# Altium PCB PCB1.PcbDoc (part 1 of 4) (continued)
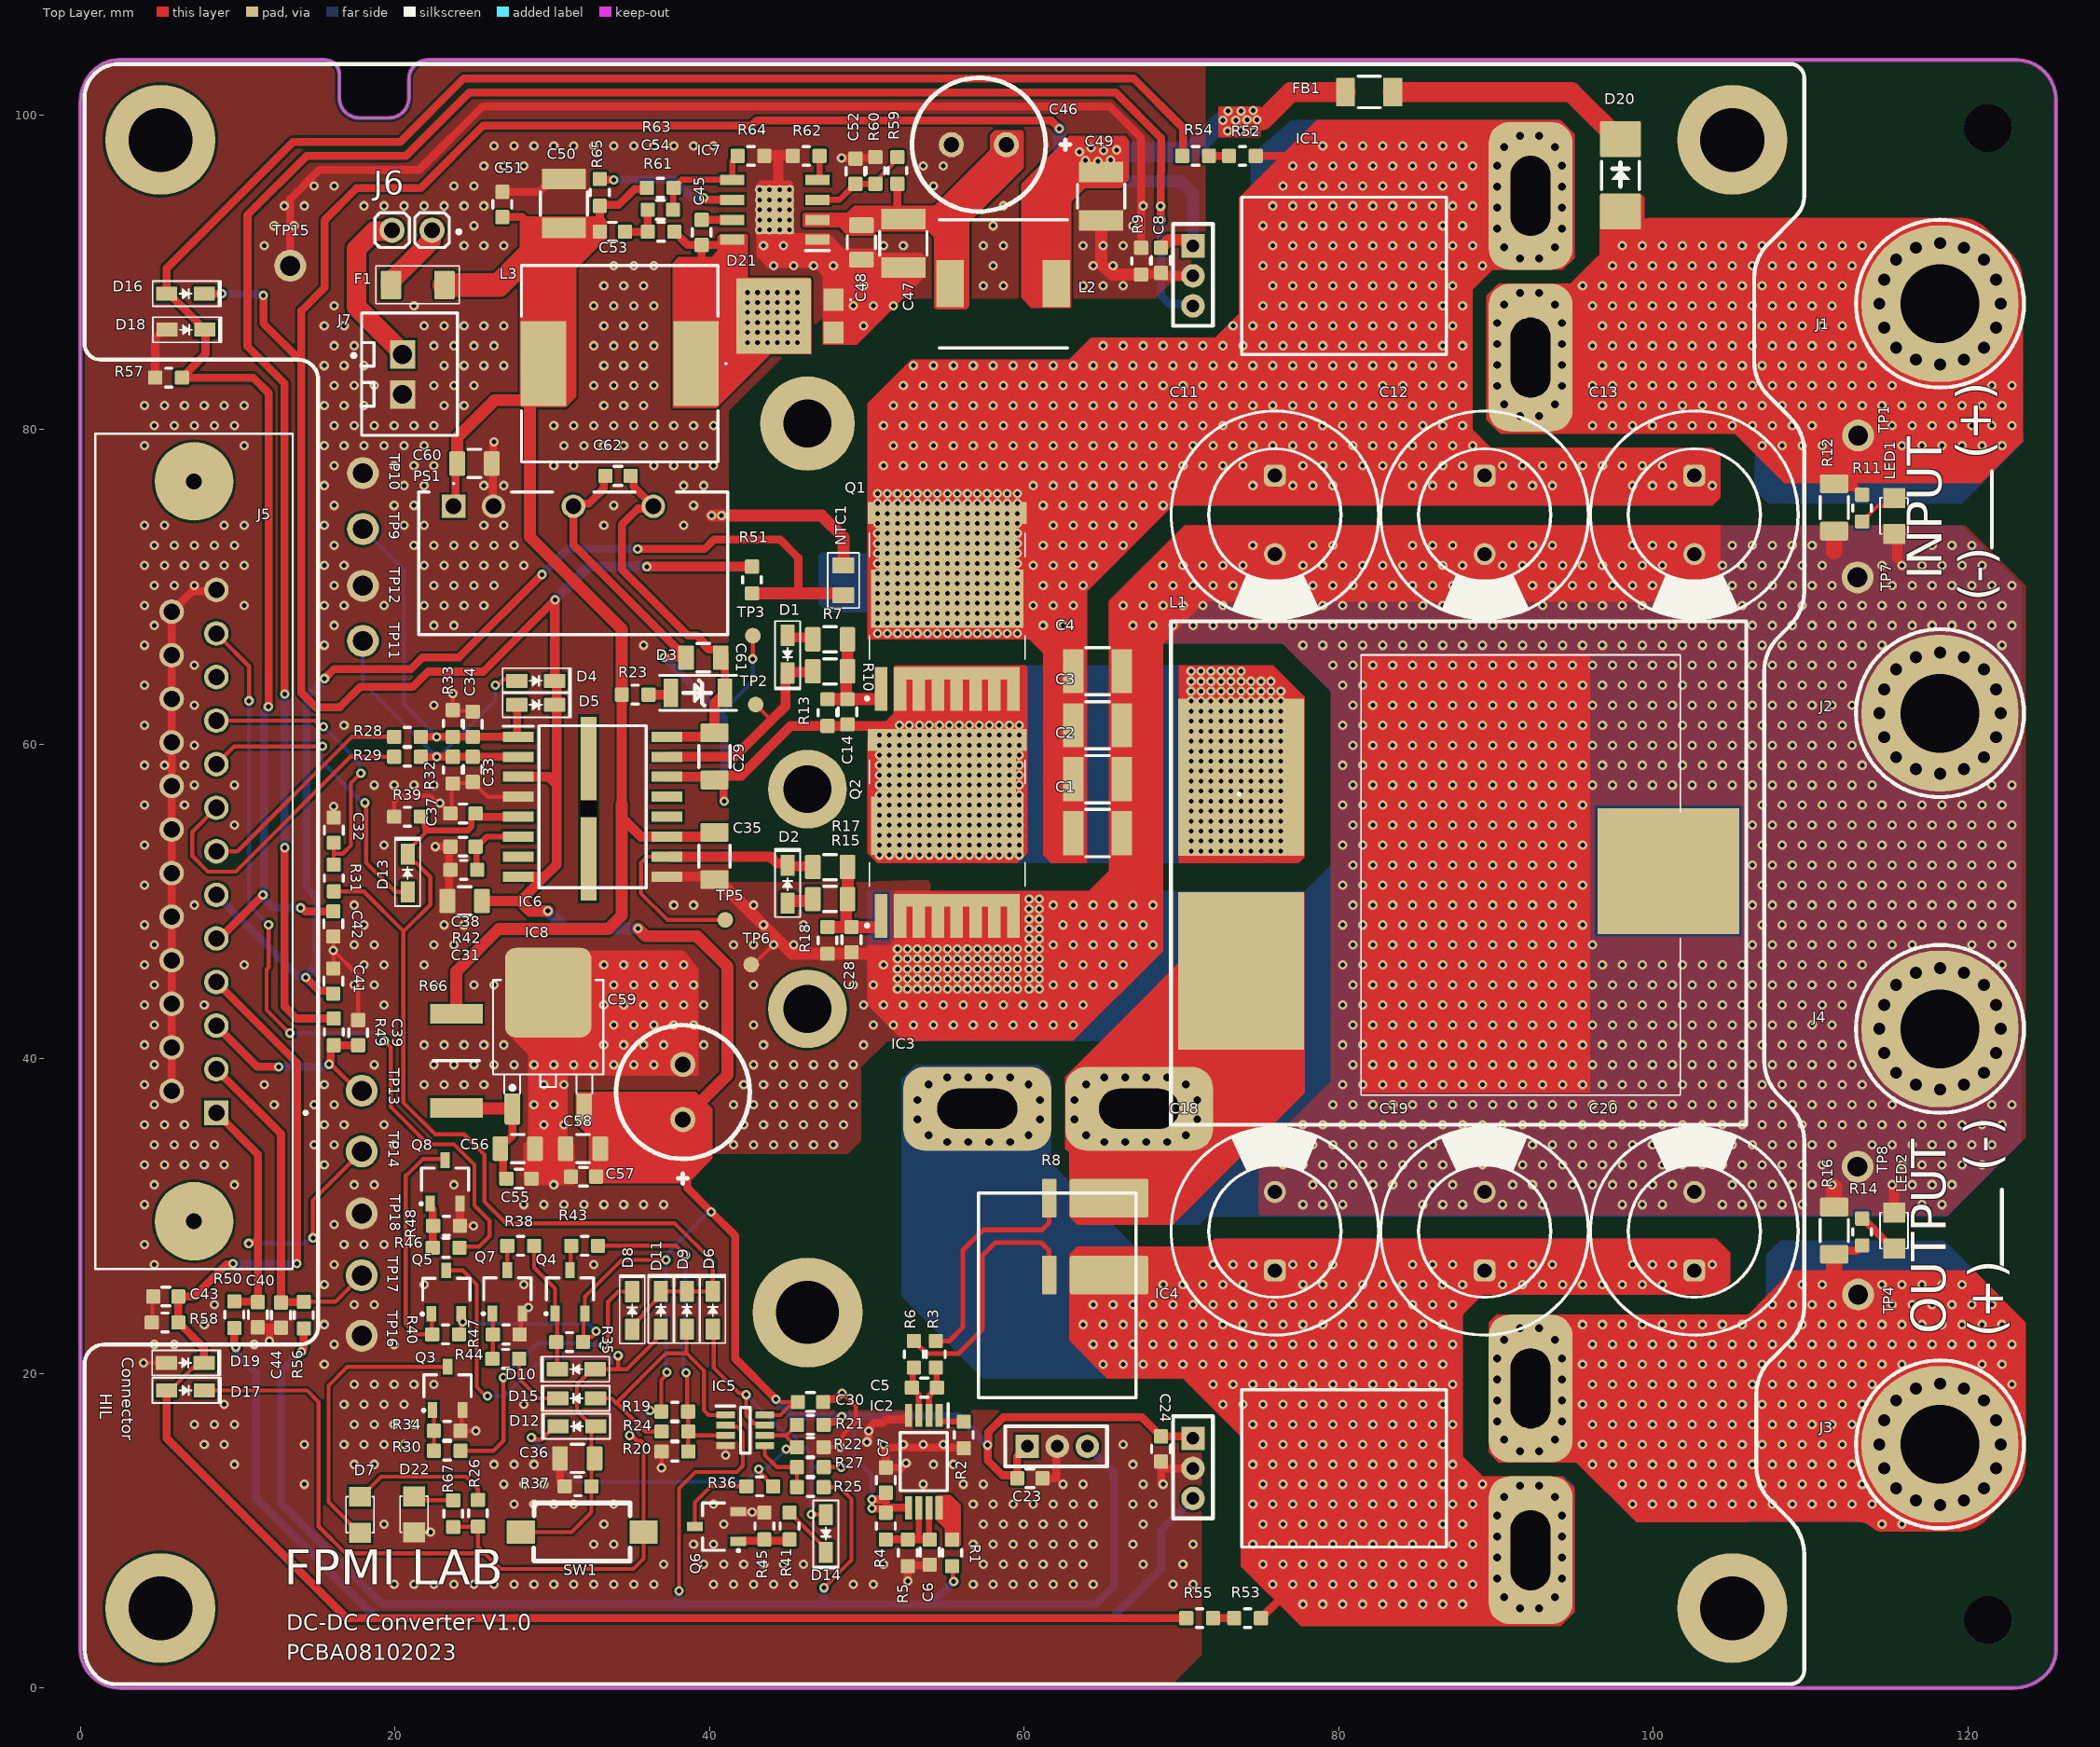
[diagram p0: Top Layer view]
## Components (designator, comment, footprint, x,y, rotation, side; value= is the part's Value field where it differs from the comment)
C1 "GRM32ER71K475KE14L" C_1210 66.219,54.356 r180 top value=4.7UF-80V
C2 "GRM32ER71K475KE14L" C_1210 66.219,57.785 r180 top value=4.7UF-80V
C3 "GRM32ER71K475KE14L" C_1210 66.219,61.214 r180 top value=4.7UF-80V
C4 "GRM32ER71K475KE14L" C_1210 66.219,64.643 r180 top value=4.7UF-80V
C5 "DNF" C_0603 54.457,19.101 r180 top value=100V
C6 "0.1uF" C_0603 54,7.849 r90 top value=50V
C7 "0.1uF" C_0603 51.206,12.421 r90 top value=50V
C8 "0.1uF" C_0603 68.707,89.967 r90 top value=50V
C9 "0.1uF 100V" C_1206 114.427,73.2 r90 bottom
C10 "0.1uF 100V" C_1206 111.887,73.2 r90 bottom
C11 "470uF 100V" CAP-ALU-13MM*30MM 75.946,74.589 r90 top value="470uF 80V"
C12 "470uF 100V" CAP-ALU-13MM*30MM 89.281,74.589 r90 top value="470uF 80V"
C13 "470uF 100V" CAP-ALU-13MM*30MM 102.616,74.589 r90 top value="470uF 80V"
C14 "4.7nF" C_0603 48.768,61.265 r90 top value=50V
C15 "GRM32ER71K475KE14L" C_1210 71.755,72.973 r90 bottom value=4.7UF-100V
C16 "GRM32ER71K475KE14L" C_1210 82.677,72.973 r90 bottom value=4.7UF-100V
C17 "GRM32ER71K475KE14L" C_1210 96.012,72.973 r90 bottom value=4.7UF-100V
C18 "470uF 100V" CAP-ALU-13MM*30MM 75.946,29.043 r270 top value="470uF 80V"
C19 "470uF 100V" CAP-ALU-13MM*30MM 89.281,29.043 r270 top value="470uF 80V"
C20 "470uF 100V" CAP-ALU-13MM*30MM 102.616,29.043 r270 top value="470uF 80V"
C21 "0.1uF 100V" C_1206 114.3,30.559 r270 bottom
C22 "0.1uF 100V" C_1206 111.76,30.559 r270 bottom
C23 "0.1uF" C_0603 61.163,13.335 r180 top value=50V
C24 "0.1uF" C_0603 68.707,14.402 r90 top value=50V
C25 "GRM32ER71K475KE14L" C_1210 96.012,30.532 r270 bottom value=4.7UF-100V
C26 "GRM32ER71K475KE14L" C_1210 82.677,30.532 r270 bottom value=4.7UF-100V
C27 "GRM32ER71K475KE14L" C_1210 70.104,30.734 r270 bottom value=4.7UF-100V
C28 "4.7nF" C_0603 49.022,46.787 r90 top value=50V
C29 "1uF 25V" C_1206 40.309,57.731 r90 top
C30 "10uF" C_0603 47.218,18.186 r180 top value=50V
C31 "10uF" C_0805 23.327,50.038 r0 top value=16V
C32 "0.1uF" C_0603 16.104,53.746 r90 top value=50V
C33 "47pF" C_0603 24.942,59.207 r270 top value=50V
C34 "47pF" C_0603 24.942,60.477 r90 top value=50V
C35 "1uF 25V" C_1206 40.309,54.397 r270 top
C36 "10uF" C_0805 30.49,14.605 r0 top value=16V
C37 "1nF" C_0603 23.52,55.601 r0 top value=50V
C38 "1nF" C_0603 23.52,53.492 r0 top value=50V
C39 "1nF" C_0603 17.653,42.469 r270 top value=50V
C40 "1nF" C_0603 11.278,22.936 r90 top value=50V
C41 "0.1uF" C_0603 16.078,45.745 r270 top value=50V
C42 "1nF" C_0603 16.078,47.777 r90 top value=50V
C43 "1nF" C_0603 4.623,24.892 r0 top value=50V
C44 "1nF" C_0603 12.751,22.911 r90 top value=50V
C45 "2.2nF" C_0603 39.497,91.745 r90 top value=50V
C46 "Cap_Alu_TH_8P0D3P5_22uF" C_ALU_TH_8p0D11p5 57.125,98.12 r180 top value=22uF
C47 "GRM32ER71K475KE14L" C_1210 52.324,90.297 r90 top value=4.7UF-100V
C48 "0.1uF" C_0805 49.657,90.805 r90 top value=100V
C49 "GRM32ER71K475KE14L" C_1210 64.897,93.293 r90 top value=4.7UF-100V
C50 "22uF" C_1210 30.734,95.937 r270 top value=16V
C51 "0603" C_0603 26.822,95.123 r270 top value=0.1uF
C52 "0603" C_0603 49.276,95.631 r90 top value=0.1uF
C53 "3.3nF" C_0603 34.62,92.583 r180 top value=50V
C54 "68pF" C_0603 37.668,93.98 r180 top value=50V
C55 "0.1uF" C_0603 28.676,32.385 r180 top value=50V
C56 "10uF" C_0805 28.895,34.29 r180 top value=16V
C57 "0.1uF" C_0603 31.191,32.512 r0 top value=50V
C58 "10uF" C_0805 30.845,34.29 r0 top value=16V
C59 "Cap_Alu_TH_8P0D3P5" C_ALU_TH_8p0D11p5 38.303,37.897 r90 top value=470uF
C60 "2.2uF" C_0805 26.152,77.851 r180 top value=50V
C61 "4.7uF" C_0805 38.506,65.507 r0 top value=50V
C62 "0.1uF" C_0603 33.376,77.064 r0 top value=50V
D1 "B0520WS-7-F" SOD323F 44.958,65.729 r90 top
D2 "B0520WS-7-F" SOD323F 44.958,51.111 r270 top
D3 "PMEG2010AEJ,115" SOD123 39.37,62.763 r0 top
D4 "PMEG2010AEJ,115" SOD323F 28.949,64.033 r180 top
D5 "PMEG2010AEJ,115" SOD323F 28.949,62.509 r180 top
D6 "PMEG2010AEJ,115" SOD323F 40.208,24.022 r270 top
D7 "LED-SMD" SM-LED-0805-Red 17.78,9.881 r90 top
D8 "PMEG2010AEJ,115" SOD323F 35.077,24.003 r270 top
D9 "PMEG2010AEJ,115" SOD323F 38.557,24.022 r270 top
D10 "PMEG2010AEJ,115" SOD323F 31.521,20.269 r0 top
D11 "PMEG2010AEJ,115" SOD323F 36.906,24.022 r270 top
D12 "PMEG2010AEJ,115" SOD323F 31.572,16.637 r0 top
D13 "PMEG2010AEJ,115" SOD323F 20.803,51.816 r270 top
D14 "PMEG2010AEJ,115" SOD323F 47.396,9.83 r90 top
D15 "PMEG2010AEJ,115" SOD323F 31.547,18.415 r0 top
D16 "PMEG2010AEJ,115" SOD323F 6.68,88.646 r180 top
D17 "PMEG2010AEJ,115" SOD323F 6.674,18.923 r180 top
D18 "PMEG2010AEJ,115" SOD323F 6.706,86.36 r180 top
D19 "PMEG2010AEJ,115" SOD323F 6.655,20.676 r180 top
D20 "Schottky" DIODE_Schottky_DO214 97.917,96.266 r90 top value="3A 100V"
D21 "V8P12-M3/86A" V8P12M386A 45.11,87.224 r90 top
D22 "LED-SMD" SM-LED-0805-Green 21.209,9.906 r90 top
F1 "120mA 48V" Fuse-SMD-1206 21.439,89.205 r180 top
FB1 "FerriteBead_1206_270Ohm" FERRITEBEAD_1206 81.939,101.473 r180 top value=270Ohm
IC1 "ACS758LCB-100B-PFF-T" ACS772ECB200BPFFT 70.739,91.692 r270 top
IC2 "INA240A1PWR" SOP65P640X120-8N 53.619,14.402 r270 top
IC3 "ACS758LCB-100B-PFF-T" ACS772ECB200BPFFT 60.198,15.367 r0 top
IC4 "ACS758LCB-100B-PFF-T" ACS772ECB200BPFFT 70.739,15.875 r270 top
IC5 "TLV7022DDFR" SOT65P280X110-8N 42.266,16.383 r0 top
IC6 "UCC21542DWR" SOIC127P1030X265-16N 32.562,56.032 r0 top
IC7 "LM5013DDAR" SOIC127P600X170-9N 44.151,93.98 r180 top
IC8 "BA50BC0FP-E2" TO252-123 29.743,40.513 r0 top
J1 "Vin+" HOLE_5mm_RED 118.237,88.011 r180 top locked
J2 "Vin-" HOLE_5mm_BLACK 118.237,61.976 r180 top locked
J3 "Vout+" HOLE_5mm_RED 118.237,15.494 r180 top locked
J4 "Vout-" HOLE_5mm_BLACK 118.237,41.91 r180 top locked
J5 "2301841-2" TE_2301841-2 7.216,53.196 r270 top locked
J6 "Header_2_2p54" JUMP_1x2 22.352,92.685 r180 top
J7 "CONN HEADER VERT 2POS 2.5MM" HEADER_2 20.472,83.515 r270 top value=Header_2
L1 "CSCF3218-6R8MC" CSCF3218-6R8MC 91.567,51.689 r270 top
L2 "1217AS-H-8R2M=P3" 1217ASH100MP3 58.674,89.281 r180 top
L3 "" SRR1260A470M 34.29,84.201 r270 top value=*47uH
LED1 "LED SMD" SM-LED-0805-Blue 115.316,75.667 r270 top
LED2 "LED SMD" SM-LED-0805-Blue 115.316,27.94 r90 top
NTC1 "10k" "NTC 0805" 48.514,70.419 r270 top
PS1 "B1212S-2W" B1212S2W 23.724,75.133 r0 top
Q1 "FDBL0210N80" "NTBLS1D5N10MC - duplicate" 55.118,68.916 r0 top
Q2 "FDBL0210N80" "NTBLS1D5N10MC - duplicate" 55.118,54.483 r0 top
Q3 "IRLML6402TRPBF" sot23-3 23.343,19.05 r90 top value="20V 3.7A"
Q4 "IRLML6402TRPBF" sot23-3 31.126,25.197 r90 top value="20V 3.7A"
Q5 "IRLML6402TRPBF" sot23-3 23.256,25.175 r90 top value="20V 3.7A"
Q6 "SS8050-G" sot23-3 40.437,10.262 r180 top
Q7 "SS8050-G" sot23-3 27.14,25.197 r90 top
Q8 "SS8050-G" sot23-3 23.186,32.185 r90 top
R1 "0" R_0603 55.423,7.749 r90 top value=8.2-10kOhm
R2 "0" R_0603 56.159,16.942 r270 top value=8.2-10kOhm
R3 "10" R_0603 54.381,20.371 r90 top
R4 "2k" R_0603 51.206,11.149 r270 top
R5 "2k" R_0603 52.603,7.749 r90 top
R6 "10" R_0603 52.984,20.371 r90 top
R7 "10" R_0805 47.668,66.675 r0 top
R8 "Shunt 1 mOhm" PSG4/PSF4 65.405,28.702 r270 top value="1 mOhm"
R9 "0603" R_0603 67.437,91.567 r270 top value=0
R10 "10" R_0805 47.668,64.643 r0 top
R11 "47k" R_0603 113.284,75.868 r270 top
R12 "47k" R_1206 111.506,75.057 r90 top
R13 "0603" R_0603 47.498,61.165 r90 top value=10kOhm
R14 "47k" R_0603 113.284,28.145 r90 top
R15 "10" R_0805 47.668,50.165 r0 top
R16 "47k" R_1206 111.506,29.083 r270 top
R17 "10" R_0805 47.668,52.197 r0 top
R18 "0603" R_0603 47.498,46.687 r90 top value=10kOhm
R19 "0603" R_0603 36.933,17.577 r0 top value=1.2M
R20 "0603" R_0603 38.646,15.037 r180 top value=200k
R21 "100k" R_0603 47.257,16.739 r180 top
R22 "250k" R_0603 45.555,15.316 r0 top
R23 "0603" R_0603 34.418,63.155 r0 top value=1Ohm
R24 "0603" R_0603 38.646,16.307 r180 top value=400k
R25 "250k" R_0603 45.555,12.776 r0 top
R26 "0603" R_0603 25.273,11.963 r270 top value=2kOhm
R27 "0603" R_0603 45.555,14.046 r0 top value="1 MOhm"
R28 "0603" R_0603 19.94,60.477 r0 top value=100Ohm
R29 "0603" R_0603 19.94,59.207 r0 top value=100Ohm
R30 "1k" R_0603 22.467,15.088 r0 top
R31 "200k" R_0603 16.104,50.649 r90 top
R32 "0603" R_0603 23.672,57.507 r90 top value=10kOhm
R33 "0603" R_0603 23.672,62.177 r270 top value=10kOhm
R34 "10k" R_0603 22.467,16.358 r0 top
R35 "10k" R_0603 30.253,21.996 r0 top
R36 "1k" R_0603 42.342,12.827 r0 top
R37 "1k" R_0603 30.787,12.827 r0 top
R38 "1k" R_0603 27.14,28.118 r0 top
R39 "0603" R_0603 19.94,55.397 r0 top value=10kOhm
R40 "10k" R_0603 22.367,22.486 r0 top
R41 "10k" R_0603 45.085,11.151 r270 top
R42 "0603" R_0603 23.52,52.019 r0 top value=10kOhm
R43 "1k" R_0603 32.904,28.118 r180 top
R44 "10k" R_0603 27.887,20.93 r180 top
R45 "47k" R_0603 43.485,11.151 r270 top
R46 "10k" R_0603 24.098,27.994 r180 top
R47 "47k" R_0603 27.921,22.477 r180 top
R48 "47k" R_0603 24.124,29.391 r180 top
R49 "0603" R_0603 16.104,42.569 r270 top value=1kOhm
R50 "0603" R_0603 9.779,22.885 r90 top value=1kOhm
R51 "0603" R_0603 42.697,69.598 r90 top value=10kOhm
R52 "0603" R_0603 73.025,97.409 r0 top value=0
R53 "0603" R_0603 73.357,4.445 r0 top value=0
R54 "0603" R_0603 70.055,97.409 r0 top value=150kOhm
R55 "0603" R_0603 70.309,4.445 r0 top value=47kOhm
R56 "0603" R_0603 14.199,22.862 r90 top value=1kOhm
R57 "0603" R_0603 4.75,83.312 r0 top value=10kOhm
R58 "0603" R_0603 4.523,23.241 r0 top value=10kOhm
R59 "200k" R_0603 51.943,97.331 r270 top
R60 "24k" R_0603 50.546,97.331 r270 top value=8.2-10kOhm
R61 "390k" R_0603 36.068,92.583 r0 top
R62 "0603" R_0603 45.29,97.409 r0 top value=100kOhm
R63 "0603" R_0603 37.719,95.377 r180 top value=470kOhm
R64 "0603" R_0603 43.483,97.409 r180 top value=51kOhm
R65 "0603" R_0603 33.02,94.234 r90 top value=100kOhm
R66 "CRCW251215R0JNEG" RESC6332X70N 23.901,39.878 r270 top
R67 "0603" R_0603 23.698,11.938 r270 top value=2kOhm
SW1 "Button" BUTTON_2P_SMD 31.902,9.906 r0 top
TP1 "Test Point" TP_1mm_through_hole 113.03,79.629 r90 top
TP2 "TP" TP_1mm 42.926,62.535 r0 top
TP3 "TP" TP_1mm 42.748,66.904 r0 top
TP4 "Test Point" TP_1mm_through_hole 113.03,25.019 r0 top
TP5 "TP" TP_1mm 40.996,48.844 r0 top
TP6 "TP" TP_1mm 42.647,45.999 r90 top
TP7 "Test Point" TP_1mm_through_hole 112.997,70.612 r180 top
TP8 "Test Point" TP_1mm_through_hole 112.997,33.147 r90 top
TP9 "Test Point" TP_1mm_through_hole 17.958,73.685 r180 top
TP10 "Test Point" TP_1mm_through_hole 17.958,77.241 r180 top
TP11 "Test Point" TP_1mm_through_hole 17.958,66.573 r180 top
TP12 "Test Point" TP_1mm_through_hole 17.958,70.079 r180 top
TP13 "Test Point" TP_1mm_through_hole 17.881,37.973 r180 top
TP14 "Test Point" TP_1mm_through_hole 17.882,34.112 r90 top
TP15 "Test Point" TP_1mm_through_hole 13.335,90.424 r180 top
TP16 "Test Point" TP_1mm_through_hole 17.882,22.403 r90 top
TP17 "Test Point" TP_1mm_through_hole 17.882,26.238 r90 top
TP18 "Test Point" TP_1mm_through_hole 17.882,30.175 r90 top

## Footprints (in the part's own frame and the unit in brackets; to place one, negate y for a bottom-side part, rotate by r counter-clockwise, add the part's x,y. Pads: shape width x height; smd on the part's side, far side on the other; paste and mask are expansions set on the pad)
1217ASH100MP3 [mm]
  rect 1.75x3 smd: 1(-3.375,0) 2(3.375,0)
  silkscreen extent -4.08,-4.08 4.08,4.08, body extent -4.33,-4.31 4.33,4.31, height 4.5
ACS772ECB200BPFFT [mm]
  rect 1.5x1.5 hole 0.8: 1(0,0)
  round 1.5 hole 0.8: 2(1.91,0) 3(3.82,0)
  round 1 hole 0.5: 4(3.008,20.782) 4(3.008,22.018) 4(3.734,23.018) 4(3.734,19.782) 4(4.91,23.45) 4(4.91,19.35) 4(6.243,23.45) 4(6.243,19.35) 4(7.577,23.45) 4(7.577,19.35) 4(8.91,23.45) 4(8.91,19.35) 4(10.086,19.782) 4(10.086,23.018) 4(10.812,20.782) 4(10.812,22.018) 5(-6.992,20.782) 5(-6.992,22.018) 5(-6.266,23.018) 5(-6.266,19.782) 5(-5.09,23.45) 5(-5.09,19.35) 5(-3.757,23.45) 5(-3.757,19.35) 5(-2.423,23.45) 5(-2.423,19.35) 5(-1.09,23.45) 5(-1.09,19.35) 5(0.086,23.018) 5(0.086,19.782) 5(0.812,22.018) 5(0.812,20.782)
  rrect50% 9.398x5.334 hole 2.54 slot 5.08 at 0 deg: 4(7.11,21.463) 5(-3.175,21.463)
  silkscreen extent -3.09,-1.27 6.91,16.1, body extent -5.06,-0.48 8.94,22.33, height 6.97
B1212S2W [mm]
  rect 1.5x1.5 hole 1: 1(0,0)
  round 1.5 hole 1: 2(2.54,0) 4(7.62,0) 6(12.7,0)
  silkscreen extent -2.21,-8.15 17.44,1.5, body extent -2.21,-8.15 17.44,0.9, height 10.51
BUTTON_2P_SMD [mm]
  rrect10% 1.8x1.5 smd mask+0.05: 1(-3.9,0.01) 2(3.9,0.01)
  silkscreen extent -3.1,-1.84 3.05,1.86, body extent -4.07,-1.66 3.93,1.84, height 4.2
C_0603 [mm]
  rrect20% 0.9x0.9 smd mask+0.1: 1(0,0) 2(1.6,0)
  silkscreen extent 0.55,-0.6 1.05,0.6, body extent 0,-0.45 1.6,0.45, height 0.81
C_0805 [mm]
  rrect20% 1x1.55 smd mask+0.1: 1(0,0) 2(2.2,0)
  silkscreen extent 0.7,-0.9 1.5,0.9, body extent 0,-0.72 2.2,0.72, height 1.35
C_1206 [mm]
  rrect20% 1.2x1.8 smd mask+0.1: 1(0,0) 2(3,0)
  silkscreen extent 0.8,-1 2.2,1, body extent -0.1,-0.8 3.1,0.8, height 1
C_1210 [mm]
  rect 1.3x2.8 smd mask+0.1: 1(0,0) 2(3.1,0)
  silkscreen extent 0.8,-1.5 2.3,1.5, body extent -0.09,-1.25 3.19,1.25, height 1.1
C_ALU_TH_8p0D11p5 [mm]
  round 1.6 hole 1 mask+0.1: 1(-1.75,0) 2(1.75,0)
  silkscreen extent -5.8,-4.25 4.25,4.25, body extent -4.03,-4.03 4.03,4.03, height 11.53
CAP-ALU-13MM*30MM [mm]
  rrect50% 1.4x1.4 hole 0.9 mask+0.075: 1(2.5,0)
  round 1.4 hole 0.9 mask+0.075: 2(-2.5,0)
  silkscreen extent -6.6,-6.6 6.6,6.6, body extent -6.26,-6.25 6.25,6.25, height 32.52
CSCF3218-6R8MC [mm]
  rect 10x8 smd: 1(-6.223,-17.78) 2(6.096,-17.78)
  rect 8x9 smd: 3(-0.254,9.398)
  silkscreen extent -16.13,-22.23 15.88,14.35, body extent -14,-16.4 14,10.6, height 18.25
DIODE_Schottky_DO214 [mm] "DO214"
  rrect10% 2.3x2.6 smd mask+0.05: 1(-2.39,-0.01) 2(2.21,-0.01)
  silkscreen extent -1,-1.2 0.8,1.2, body extent -2.93,-1.4 2.55,1.39, height 2.14
FERRITEBEAD_1206 [mm]
  rect 1.2x1.8 smd mask+0.1: 1(-1.5,0) 2(1.5,0)
  silkscreen extent -0.7,-1 0.7,1, body extent -1.6,-0.83 1.6,0.83, height 1.53
Fuse-SMD-1206 [mm]
  rrect10% 1.3x1.8 smd mask+0.07: 1(-1.7,0) 2(1.7,0)
  silkscreen extent -2.65,-1.2 2.65,1.2, body extent -1.75,-0.92 1.75,0.92, height 0.5
HEADER_2 [mm] "HEADER_2_2P54"
  rect 1.8x1.6 hole 1.2 mask+0.1: 1(-1.27,0) 2(1.27,0)
  silkscreen extent -3.9,-3.2 3.87,3.5, body extent -3.7,-2.45 3.7,3.3, height 7
HOLE_5mm_BLACK [mm]
  round 10 hole 5 mask+0.075: 1(0,0)
  silkscreen extent -5.34,-5.34 5.34,5.34, body extent -12.03,-5.6 5.59,5.6, height 25.25
HOLE_5mm_RED [mm]
  round 10 hole 5 mask+0.075: 1(0,0)
  silkscreen extent -5.34,-5.34 5.34,5.34, body extent -12.03,-5.59 5.59,5.61, height 25.25
JUMP_1x2 [mm] "JUMP_1x2_2P54"
  round 1.6 hole 1 mask+0.1: 1(0,0) 2(2.54,0)
  silkscreen extent -1.8,-1.1 3.64,1.1, body extent -1.3,-1.3 3.78,1.24, height 5.94
"NTBLS1D5N10MC - duplicate" [mm]
  rect 0.8x2.8 smd: 1(-4.2,-5.4)
  rect 0.8x2 smd: 2(-3,-5.8) 3(-1.8,-5.8) 4(-0.6,-5.8) 5(0.6,-5.8) 6(1.8,-5.8) 7(3,-5.8) 8(4.2,-5.8)
  rect 8x0.8 smd: A2(0.6,-4.4)
  rect 10.1x1.4 smd: T1(0,5.8)
  rect 8.7x2.9 smd: T2(0,3.65)
  rect 9.7x3.7 smd: T3(0,0.35)
  silkscreen extent -5.2,-6.1 4.95,4.5, body extent -4.95,-5.2 4.95,6.47, height 2.3
"NTC 0805" [mm]
  rrect10% 1x1.4 smd mask+0.07: 1(-0.95,0) 2(0.95,0)
  silkscreen extent -1.75,-1 1.75,1, body extent -1.18,-0.51 1.18,0.51, height 0.61
PSG4/PSF4 [mm] "Chip Capacitor, Body 3.2x2.5mm, IPC Medium Density"
  rrect10% 2.45x5 smd mask+0.07: I1(-2.45,0) I2(2.45,0)
  rrect10% 2.45x0.9 smd mask+0.07: S1(-2.45,-3.8) S2(2.45,-3.8)
  body extent -3.45,-4.15 3.45,2.45, height 3
R_0603 [mm]
  rrect20% 0.9x0.9 smd mask+0.1: 1(0,0)
  rrect20% 0.9x0.9 smd: 2(1.7,0)
  silkscreen extent 0.65,-0.6 1.05,0.6, body extent 0,-0.4 1.7,0.4, height 0.56
R_0805 [mm]
  rrect20% 1x1.55 smd mask+0.1: 1(-1.1,0)
  rrect20% 1x1.55 smd: 2(1.1,0)
  silkscreen extent -0.4,-0.8 0.4,0.8, body extent -1.15,-0.69 1.15,0.66, height 0.76
R_1206 [mm] "Resistor 1206"
  rrect20% 1.2x1.8 smd mask+0.1: 1(-1.5,0) 2(1.5,0)
  silkscreen extent -0.7,-0.9 0.7,0.9, body extent -1.67,-0.86 1.68,0.87, height 0.85
RESC6332X70N [mm]
  rect 1.25x3.35 smd: 1(-3,0) 2(3,0)
  silkscreen extent 0,-1.48 0,1.48, body extent -3.15,-1.58 3.15,1.58, height 0.7
SM-LED-0805-Blue [mil]
  rect 50x55 smd: 1(0,0) 2(90,0)
  silkscreen extent 0,-35 90,35, body extent 5,-25 85,25, height 43
SM-LED-0805-Green [mil]
  rect 50x55 smd: 1(0,0) 2(90,0)
  silkscreen extent 0,-35 90,35, body extent 5,-25 85,25, height 43
SM-LED-0805-Red [mil]
  rect 50x55 smd: 1(0,0) 2(90,0)
  silkscreen extent 0,-35 90,35, body extent 5,-25 85,25, height 43
SOD123 [mm]
  rect 0.915x1.8 smd: 1(-1.829,0.508) 2(1.6,0.508)
  silkscreen extent -2.55,-0.59 2.35,1.61, body extent -2.11,-0.39 1.8,1.41, height 0.82
SOD323F [mm]
  round 0.508 on Mech14: 0(0,0)
  rrect10% 1.35x0.9 smd mask+0.07: 1(1.2,0) 2(-1.2,0)
  silkscreen extent -2.25,-0.8 2.1,0.8, body extent -1.25,-0.67 1.25,0.68, height 1
SOIC127P600X170-9N [mm]
  rect 1.525x0.65 smd: 1(-2.712,1.905) 2(-2.712,0.635) 3(-2.712,-0.635) 4(-2.712,-1.905) 5(2.712,-1.905) 6(2.712,-0.635) 7(2.712,0.635) 8(2.712,1.905)
  rect 2.4x3.1 smd: 9(0,0)
  silkscreen extent -3.47,2.58 -1.95,2.58, body extent -3,-2.45 3,2.45, height 1.57
SOIC127P1030X265-16N [mm]
  rect 1.95x0.65 smd: 1(-4.725,4.445) 2(-4.725,3.175) 3(-4.725,1.905) 4(-4.725,0.635) 5(-4.725,-0.635) 6(-4.725,-1.905) 7(-4.725,-3.175) 8(-4.725,-4.445) 9(4.725,-4.445) 10(4.725,-3.175) 11(4.725,-1.905) 12(4.725,-0.635) 13(4.725,0.635) 14(4.725,1.905) 15(4.725,3.175) 16(4.725,4.445)
  silkscreen extent -5.7,-5.15 3.4,5.15, body extent -5.17,-5.15 5.17,5.15, height 2.59
SOP65P640X120-8N [mm]
  rect 1.475x0.45 smd: 1(-2.938,0.975) 2(-2.938,0.325) 3(-2.938,-0.325) 4(-2.938,-0.975) 5(2.938,-0.975) 6(2.938,-0.325) 7(2.938,0.325) 8(2.938,0.975)
  silkscreen extent -3.67,-1.5 1.85,1.55, body extent -3.21,-1.5 3.21,1.5, height 1.11
sot23-3 [mm]
  rect 1x0.6 smd: 1(-1.375,0.95) 2(-1.375,-0.95) 3(1.375,0)
  silkscreen extent -1.47,-1.5 0.88,1.59, body extent -1.25,-1.5 1.25,1.5, height 1.06
SOT65P280X110-8N [mm]
  rect 1.2x0.45 smd: 1(-1.25,0.975) 2(-1.25,0.325) 3(-1.25,-0.325) 4(-1.25,-0.975) 5(1.25,-0.975) 6(1.25,-0.325) 7(1.25,0.325) 8(1.25,0.975)
  silkscreen extent -1.85,-1.45 0.3,1.55, body extent -1.41,-1.45 1.41,1.45, height 0.9
SRR1260A470M [mm]
  rect 5.4x2.9 smd: 1(0,4.85) 2(0,-4.85)
  silkscreen extent -6.25,-6.25 6.25,6.8, body extent -6.25,-6.25 6.25,6.25, height 6.25
TE_2301841-2 [mm]
  rect 1.56x1.56 hole 1.04: 1(16.62,1.42)
  round 1.56 hole 1.04: 2(13.85,1.42) 3(11.08,1.42) 4(8.31,1.42) 5(5.54,1.42) 6(2.77,1.42) 7(0,1.42) 8(-2.77,1.42) 9(-5.54,1.42) 10(-8.31,1.42) 11(-11.08,1.42) 12(-13.85,1.42) 13(-16.62,1.42) 14(15.235,-1.42) 15(12.465,-1.42) 16(9.695,-1.42) 17(6.925,-1.42) 18(4.155,-1.42) 19(1.385,-1.42) 20(-1.385,-1.42) 21(-4.155,-1.42) 22(-6.925,-1.42) 23(-9.695,-1.42) 24(-12.465,-1.42) 25(-15.235,-1.42)